# KiCad board panel.kicad_pcb (continued)
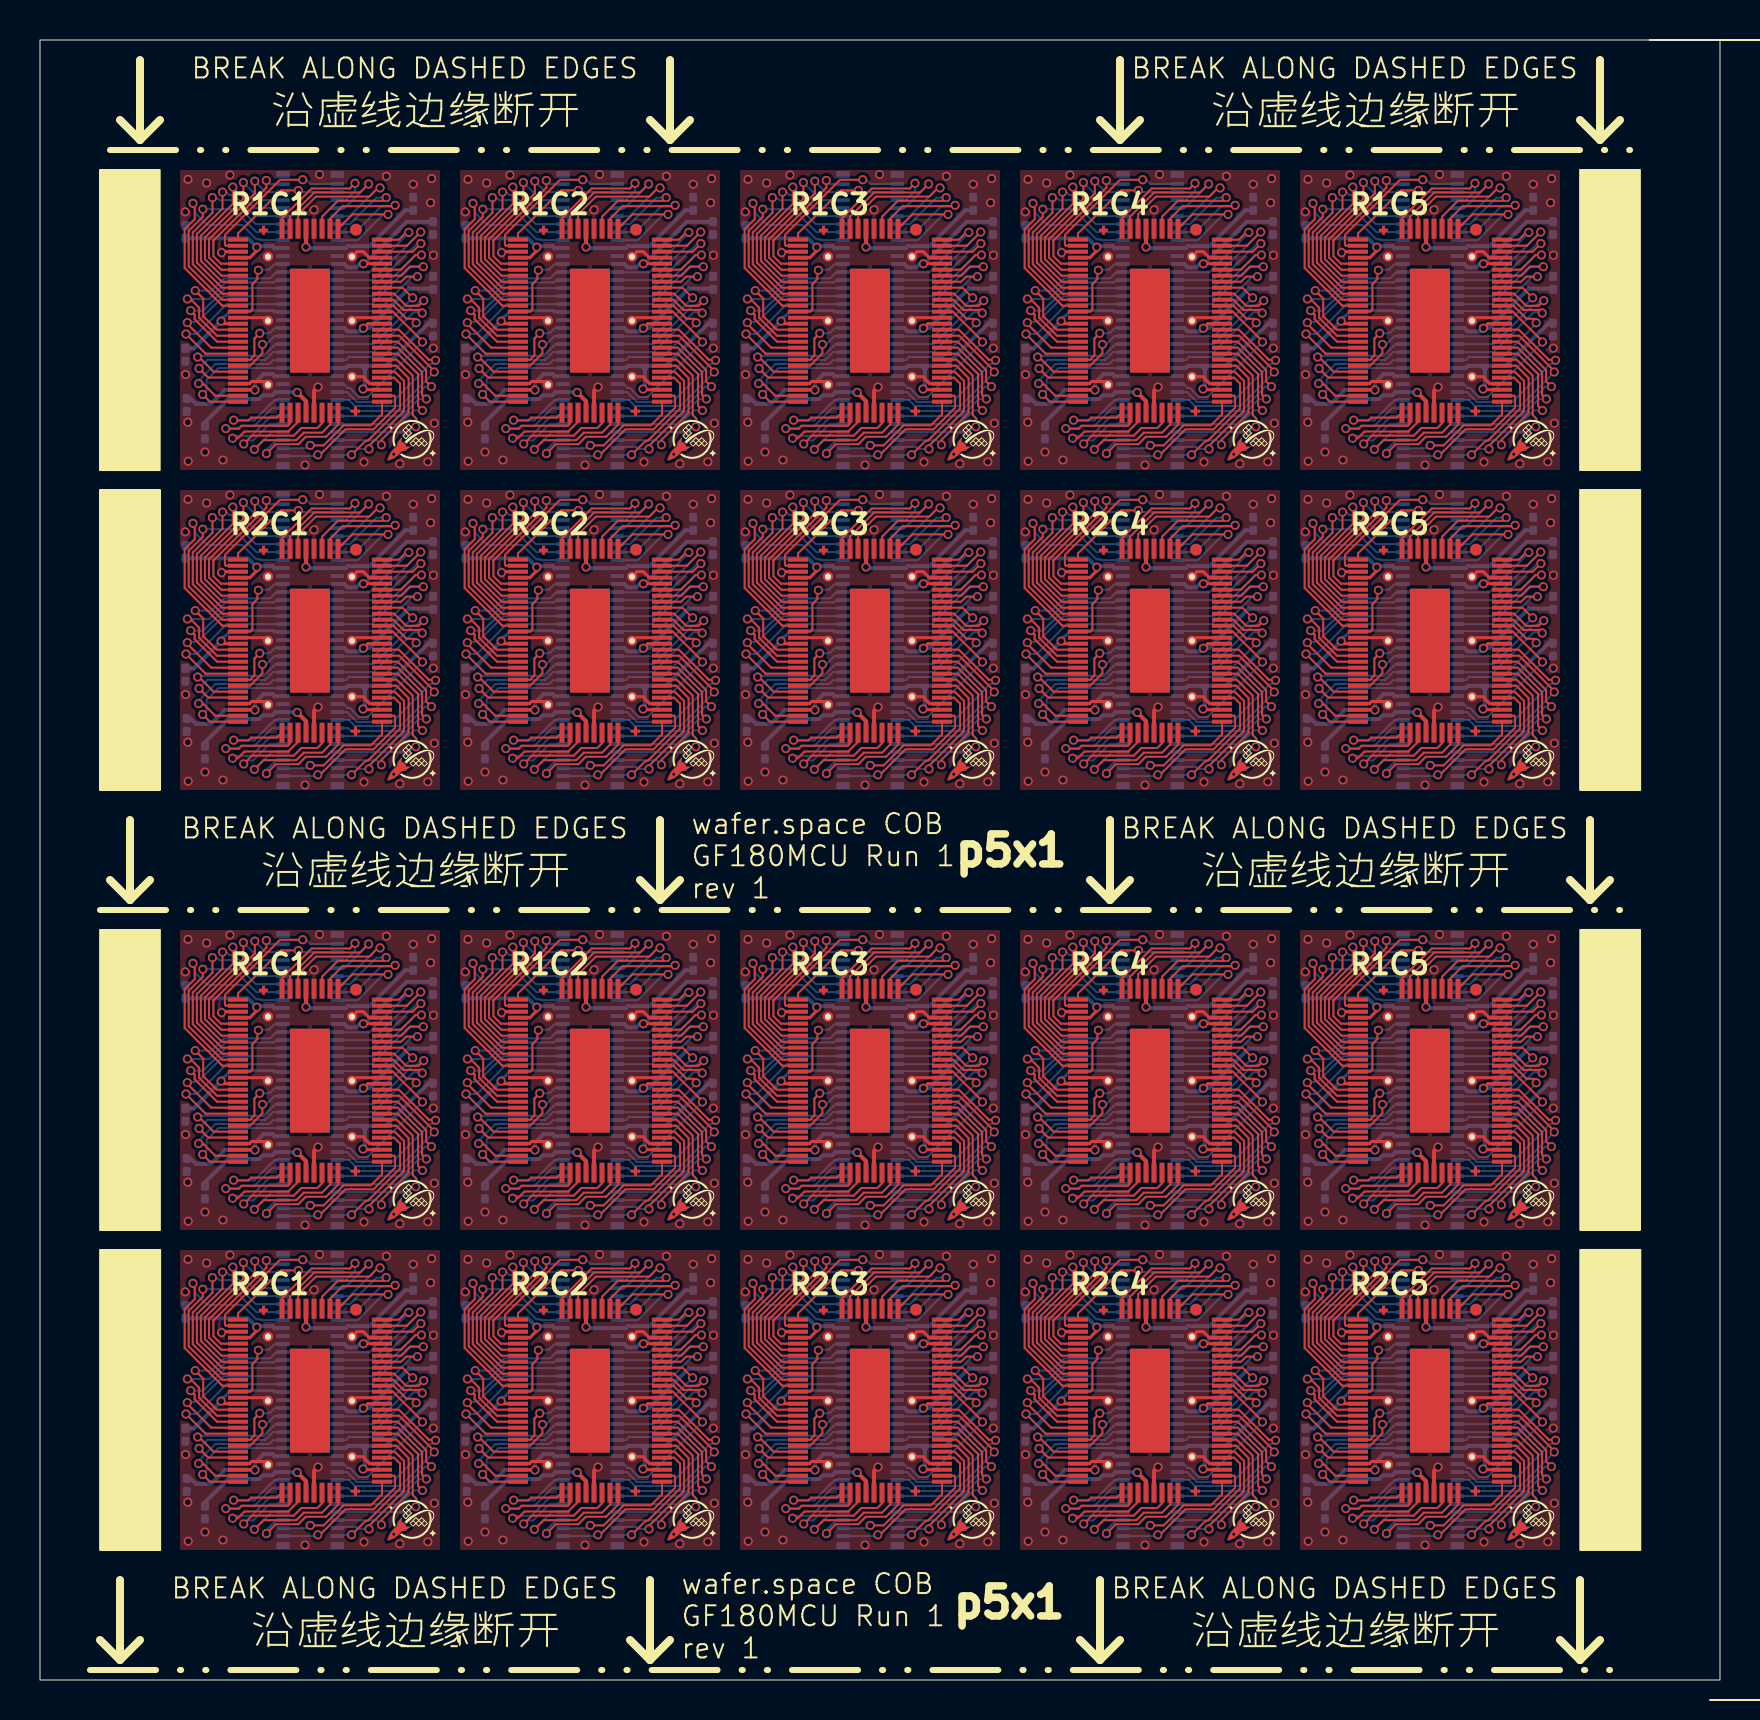
[diagram p0: board, top side]
## Routing (per net, layer and track width the routed paths; a pad name or vN(x,y) marks a point on that pad's centre or on a via; arc(x,y) is an arc through that point) (continued)
/bidir_25: length 145.3
  Top w0.1: 44.45,23.74 v1(44.45,23.55) 44.45,23.71 46.2,25.46 46.2,26.95 45.74,27.42 U106.50 ; U120#2.50 73.74,49.42 74.2,48.95 74.2,47.46 72.45,45.71 v1(72.45,45.55) 72.45,45.74 ; U116#2.50 45.74,11.42 46.2,10.95 46.2,9.46 44.45,7.71 v1(44.45,7.55) 44.45,7.74 ; 44.45,45.74 v1(44.45,45.55) 44.45,45.71 46.2,47.46 46.2,48.95 45.74,49.42 U116.50 ; 30.45,45.74 v1(30.45,45.55) 30.45,45.71 32.2,47.46 32.2,48.95 31.74,49.42 U114.50 ; 45.1,65.41 45.74,65.41 46.2,64.95 46.2,63.46 44.45,61.71 v1(44.45,61.55) 44.45,61.74 ; U102.50 17.74,27.42 18.2,26.95 18.2,25.46 16.45,23.71 v1(16.45,23.55) 16.45,23.74 ; U104.50 31.74,27.42 32.2,26.95 32.2,25.46 30.45,23.71 v1(30.45,23.55) 30.45,23.74 ; U110.50 73.74,27.42 74.2,26.95 74.2,25.46 72.45,23.71 v1(72.45,23.55) 72.45,23.74 ; 73.1,65.41 73.74,65.41 74.2,64.95 74.2,63.46 72.45,61.71 v1(72.45,61.55) 72.45,61.74 ; U112.50 17.74,49.42 18.2,48.95 18.2,47.46 16.45,45.71 v1(16.45,45.55) 16.45,45.74 ; 30.45,61.74 v1(30.45,61.55) 30.45,61.71 32.2,63.46 32.2,64.95 31.74,65.41 31.1,65.41 ; U118#2.50 59.74,11.42 60.2,10.95 60.2,9.46 58.45,7.71 v1(58.45,7.55) 58.45,7.74 ; U108.50 59.74,27.42 60.2,26.95 60.2,25.46 58.45,23.71 v1(58.45,23.55) 58.45,23.74 ; U112#2.50 17.74,11.42 18.2,10.95 18.2,9.46 16.45,7.71 v1(16.45,7.55) 16.45,7.74 ; 58.45,45.74 v1(58.45,45.55) 58.45,45.71 60.2,47.46 60.2,48.95 59.74,49.42 U118.50 ; 17.1,65.41 17.74,65.41 18.2,64.95 18.2,63.46 16.45,61.71 v1(16.45,61.55) 16.45,61.74 ; 58.45,61.74 v1(58.45,61.55) 58.45,61.71 60.2,63.46 60.2,64.95 59.74,65.41 59.1,65.41 ; U114#2.50 31.74,11.42 32.2,10.95 32.2,9.46 30.45,7.71 v1(30.45,7.55) 30.45,7.74 ; 72.45,7.74 v1(72.45,7.55) 72.45,7.71 74.2,9.46 74.2,10.95 73.74,11.42 U120.50
  Bottom w0.1: v1(72.45,45.55) 71.92,45.55 71.81,45.66 70.93,45.66 U119#2.34 ; v1(16.45,45.55) 15.92,45.55 15.81,45.66 14.93,45.66 U111.34 ; v1(16.45,61.55) 15.92,61.55 15.81,61.66 14.93,61.66 U101.34 ; v1(72.45,7.55) 71.92,7.55 71.81,7.66 70.93,7.66 U119.34 ; U103.34 28.93,23.66 29.81,23.66 29.92,23.55 v1(30.45,23.55) ; U105.34 42.93,23.66 43.81,23.66 43.92,23.55 v1(44.45,23.55) ; v1(16.45,7.55) 15.92,7.55 15.81,7.66 14.93,7.66 U111#2.34 ; v1(30.45,7.55) 29.92,7.55 29.81,7.66 28.93,7.66 U113#2.34 ; v1(44.45,61.55) 43.92,61.55 43.81,61.66 42.93,61.66 U105#2.34 ; v1(58.45,45.55) 57.92,45.55 57.81,45.66 56.93,45.66 U117#2.34 ; v1(58.45,23.55) 57.92,23.55 57.81,23.66 56.93,23.66 U107#2.34 ; U117.34 56.93,7.66 57.81,7.66 57.92,7.55 v1(58.45,7.55) ; U109#2.34 70.93,23.66 71.81,23.66 71.92,23.55 v1(72.45,23.55) ; v1(30.45,61.55) 29.92,61.55 29.81,61.66 28.93,61.66 U103#2.34 ; v1(16.45,23.55) 15.92,23.55 15.81,23.66 14.93,23.66 U101#2.34 ; U115.34 42.93,7.66 43.81,7.66 43.92,7.55 v1(44.45,7.55) ; v1(72.45,61.55) 71.92,61.55 71.81,61.66 70.93,61.66 U109.34 ; U115#2.34 42.93,45.66 43.81,45.66 43.92,45.55 v1(44.45,45.55) ; v1(58.45,61.55) 57.92,61.55 57.81,61.66 56.93,61.66 U107.34 ; U113.34 28.93,45.66 29.81,45.66 29.92,45.55 v1(30.45,45.55)
/bidir_26: length 155.7
  Top w0.1: v1(31.07,23.76) 31.07,24 32.43,25.36 32.43,27.09 31.81,27.72 U104.51 ; v1(31.07,45.76) 31.07,46 32.43,47.36 32.43,49.09 31.81,49.72 U114.51 ; v1(31.07,7.76) 31.07,8 32.43,9.36 32.43,11.09 31.81,11.72 U114#2.51 ; v1(17.07,45.76) 17.07,46 18.43,47.36 18.43,49.09 17.81,49.72 U112.51 ; v1(59.07,45.76) 59.07,46 60.43,47.36 60.43,49.09 59.81,49.72 U118.51 ; U106#2.51 45.81,65.72 46.43,65.09 46.43,63.36 45.07,62 v1(45.07,61.76) ; U102#2.51 17.81,65.72 18.43,65.09 18.43,63.36 17.07,62 v1(17.07,61.76) ; v1(73.07,45.76) 73.07,46 74.43,47.36 74.43,49.09 73.81,49.72 U120#2.51 ; v1(45.07,45.76) 45.07,46 46.43,47.36 46.43,49.09 45.81,49.72 U116.51 ; v1(17.07,7.76) 17.07,8 18.43,9.36 18.43,11.09 17.81,11.72 U112#2.51 ; v1(73.07,7.76) 73.07,8 74.43,9.36 74.43,11.09 73.81,11.72 U120.51 ; v1(73.07,61.76) 73.07,62 74.43,63.36 74.43,65.09 73.81,65.72 U110#2.51 ; U116#2.51 45.81,11.72 46.43,11.09 46.43,9.36 45.07,8 v1(45.07,7.76) ; v1(73.07,23.76) 73.07,24 74.43,25.36 74.43,27.09 73.81,27.72 U110.51 ; v1(45.07,23.76) 45.07,24 46.43,25.36 46.43,27.09 45.81,27.72 U106.51 ; U102.51 17.81,27.72 18.43,27.09 18.43,25.36 17.07,24 v1(17.07,23.76) ; v1(59.07,7.76) 59.07,8 60.43,9.36 60.43,11.09 59.81,11.72 U118#2.51 ; U104#2.51 31.81,65.72 32.43,65.09 32.43,63.36 31.07,62 v1(31.07,61.76) ; v1(59.07,61.76) 59.07,62 60.43,63.36 60.43,65.09 59.81,65.72 U108#2.51 ; v1(59.07,23.76) 59.07,24 60.43,25.36 60.43,27.09 59.81,27.72 U108.51
  Bottom w0.1: v1(73.07,45.76) 73.06,45.76 72.83,46 U119#2.33 ; U117#2.33 58.82,46 59.06,45.76 v1(59.07,45.76) ; U105.33 44.82,24 45.06,23.76 v1(45.07,23.76) ; U103.33 30.82,24 31.06,23.76 v1(31.07,23.76) ; v1(31.07,61.76) 31.06,61.76 30.82,62 28.87,62 ; U111.33 16.82,46 17.06,45.76 v1(17.07,45.76) ; v1(17.07,23.76) 17.06,23.76 16.82,24 U101#2.33 ; v1(31.07,7.76) 31.06,7.76 30.82,8 U113#2.33 ; 42.87,62 44.82,62 45.06,61.76 v1(45.07,61.76) ; U111#2.33 16.82,8 17.06,7.76 v1(17.07,7.76) ; v1(73.07,61.76) 73.06,61.76 72.83,62 70.87,62 ; 14.87,62 16.82,62 17.06,61.76 v1(17.07,61.76) ; v1(45.07,45.76) 45.06,45.76 44.82,46 U115#2.33 ; v1(59.07,23.76) 59.06,23.76 58.82,24 U107#2.33 ; U115.33 44.82,8 45.06,7.76 v1(45.07,7.76) ; U117.33 58.82,8 59.06,7.76 v1(59.07,7.76) ; 56.87,62 58.82,62 59.06,61.76 v1(59.07,61.76) ; U119.33 72.83,8 73.06,7.76 v1(73.07,7.76) ; U113.33 30.82,46 31.06,45.76 v1(31.07,45.76) ; v1(73.07,23.76) 73.06,23.76 72.83,24 U109#2.33
/bidir_27: length 170.9
  Top w0.1: U102#2.52 17.84,66.02 18.63,65.22 18.63,63.25 18.82,63.07 18.82,62.69 v1(18.79,62.66) ; v1(60.79,24.66) 60.82,24.69 60.82,25.07 60.63,25.25 60.63,27.22 59.84,28.02 U108.52 ; U110.52 73.84,28.02 74.63,27.22 74.63,25.25 74.82,25.07 74.82,24.69 v1(74.79,24.66) ; v1(46.79,46.66) 46.82,46.69 46.82,47.07 46.63,47.25 46.63,49.22 45.84,50.02 U116.52 ; v1(74.79,46.66) 74.82,46.69 74.82,47.07 74.63,47.25 74.63,49.22 73.84,50.02 U120#2.52 ; U110#2.52 73.84,66.02 74.63,65.22 74.63,63.25 74.82,63.07 74.82,62.69 v1(74.79,62.66) ; U120.52 73.84,12.02 74.63,11.22 74.63,9.25 74.82,9.07 74.82,8.69 v1(74.79,8.66) ; U112.52 17.84,50.02 18.63,49.22 18.63,47.25 18.82,47.07 18.82,46.69 v1(18.79,46.66) ; U114.52 31.84,50.02 32.63,49.22 32.63,47.25 32.82,47.07 32.82,46.69 v1(32.79,46.66) ; v1(46.79,8.66) 46.82,8.69 46.82,9.07 46.63,9.25 46.63,11.22 45.84,12.02 U116#2.52 ; v1(32.79,62.66) 32.82,62.69 32.82,63.07 32.63,63.25 32.63,65.22 31.84,66.02 U104#2.52 ; v1(60.79,46.66) 60.82,46.69 60.82,47.07 60.63,47.25 60.63,49.22 59.84,50.02 U118.52 ; U106.52 45.84,28.02 46.63,27.22 46.63,25.25 46.82,25.07 46.82,24.69 v1(46.79,24.66) ; U114#2.52 31.84,12.02 32.63,11.22 32.63,9.25 32.82,9.07 32.82,8.69 v1(32.79,8.66) ; v1(46.79,62.66) 46.82,62.69 46.82,63.07 46.63,63.25 46.63,65.22 45.84,66.02 U106#2.52 ; U118#2.52 59.84,12.02 60.63,11.22 60.63,9.25 60.82,9.07 60.82,8.69 v1(60.79,8.66) ; v1(18.79,8.66) 18.82,8.69 18.82,9.07 18.63,9.25 18.63,11.22 17.84,12.02 U112#2.52 ; v1(32.79,24.66) 32.82,24.69 32.82,25.07 32.63,25.25 32.63,27.22 31.84,28.02 U104.52 ; U108#2.52 59.84,66.02 60.63,65.22 60.63,63.25 60.82,63.07 60.82,62.69 v1(60.79,62.66) ; v1(18.79,24.66) 18.82,24.69 18.82,25.07 18.63,25.25 18.63,27.22 17.84,28.02 U102.52
  Bottom w0.1: v1(18.79,46.66) 18.7,46.66 18.43,46.39 14.87,46.39 ; v1(18.79,8.66) 18.7,8.66 18.43,8.39 14.87,8.39 ; U105#2.32 46.43,62.4 46.7,62.66 v1(46.79,62.66) ; v1(74.79,8.66) 74.7,8.66 74.44,8.39 70.87,8.39 ; v1(74.79,24.66) 74.7,24.66 74.44,24.39 70.87,24.39 ; v1(18.79,62.66) 18.7,62.66 18.43,62.4 U101.32 ; v1(60.79,62.66) 60.7,62.66 60.43,62.4 U107.32 ; 56.87,46.39 60.43,46.39 60.7,46.66 v1(60.79,46.66) ; 56.87,8.39 60.43,8.39 60.7,8.66 v1(60.79,8.66) ; 56.87,24.39 60.43,24.39 60.7,24.66 v1(60.79,24.66) ; 28.87,8.39 32.43,8.39 32.7,8.66 v1(32.79,8.66) ; 70.87,46.39 74.44,46.39 74.7,46.66 v1(74.79,46.66) ; 42.87,24.39 46.43,24.39 46.7,24.66 v1(46.79,24.66) ; v1(18.79,24.66) 18.7,24.66 18.43,24.39 14.87,24.39 ; 42.87,8.39 46.43,8.39 46.7,8.66 v1(46.79,8.66) ; v1(46.79,46.66) 46.7,46.66 46.43,46.39 42.87,46.39 ; v1(32.79,24.66) 32.7,24.66 32.43,24.39 28.87,24.39 ; U103#2.32 32.43,62.4 32.7,62.66 v1(32.79,62.66) ; 28.87,46.39 32.43,46.39 32.7,46.66 v1(32.79,46.66) ; v1(74.79,62.66) 74.7,62.66 74.44,62.4 U109.32
/bidir_28: length 173.4
  Top w0.1: U118.53 59.88,50.31 60.9,49.3 60.9,47.7 v1(61.12,47.48) ; U118#2.53 59.88,12.31 60.9,11.3 60.9,9.7 v1(61.12,9.48) ; 17.1,66.31 17.88,66.31 18.9,65.3 18.9,63.7 v1(19.12,63.48) ; v1(33.12,63.48) 32.9,63.7 32.9,65.3 31.88,66.31 31.1,66.31 ; v1(47.12,47.48) 46.9,47.7 46.9,49.3 45.88,50.31 U116.53 ; v1(33.12,47.48) 32.9,47.7 32.9,49.3 31.88,50.31 U114.53 ; v1(75.12,47.48) 74.9,47.7 74.9,49.3 73.89,50.31 U120#2.53 ; v1(75.12,9.48) 74.9,9.7 74.9,11.3 73.89,12.31 U120.53 ; 45.1,66.31 45.88,66.31 46.9,65.3 46.9,63.7 v1(47.12,63.48) ; U112.53 17.88,50.31 18.9,49.3 18.9,47.7 v1(19.12,47.48) ; v1(47.12,25.48) 46.9,25.7 46.9,27.3 45.88,28.31 U106.53 ; U116#2.53 45.88,12.31 46.9,11.3 46.9,9.7 v1(47.12,9.48) ; 73.1,66.31 73.89,66.31 74.9,65.3 74.9,63.7 v1(75.12,63.48) ; U104.53 31.88,28.31 32.9,27.3 32.9,25.7 v1(33.12,25.48) ; v1(61.12,63.48) 60.9,63.7 60.9,65.3 59.88,66.31 59.1,66.31 ; U108.53 59.88,28.31 60.9,27.3 60.9,25.7 v1(61.12,25.48) ; v1(19.12,25.48) 18.9,25.7 18.9,27.3 17.88,28.31 U102.53 ; U114#2.53 31.88,12.31 32.9,11.3 32.9,9.7 v1(33.12,9.48) ; v1(75.12,25.48) 74.9,25.7 74.9,27.3 73.89,28.31 U110.53 ; U112#2.53 17.88,12.31 18.9,11.3 18.9,9.7 v1(19.12,9.48)
  Bottom w0.1: v1(33.12,9.48) 32.69,9.48 32.01,8.8 U113#2.31 ; v1(47.12,25.48) 46.69,25.48 46.01,24.8 U105.31 ; U109#2.31 74,24.8 74.69,25.48 v1(75.12,25.48) ; v1(75.12,9.48) 74.69,9.48 74,8.8 U119.31 ; v1(61.12,25.48) 60.69,25.48 60.01,24.8 U107#2.31 ; v1(47.12,9.48) 46.69,9.48 46.01,8.8 U115.31 ; v1(33.12,47.48) 32.69,47.48 32.01,46.8 U113.31 ; v1(33.12,25.48) 32.69,25.48 32.01,24.8 U103.31 ; U105#2.31 46.01,62.8 46.69,63.48 v1(47.12,63.48) ; v1(19.12,47.48) 18.69,47.48 18.01,46.8 U111.31 ; v1(61.12,9.48) 60.69,9.48 60.01,8.8 U117.31 ; U119#2.31 74,46.8 74.69,47.48 v1(75.12,47.48) ; v1(61.12,63.48) 60.69,63.48 60.01,62.8 U107.31 ; v1(75.12,63.48) 74.69,63.48 74,62.8 U109.31 ; v1(47.12,47.48) 46.69,47.48 46.01,46.8 U115#2.31 ; U117#2.31 60.01,46.8 60.69,47.48 v1(61.12,47.48) ; U103#2.31 32.01,62.8 32.69,63.48 v1(33.12,63.48) ; U111#2.31 18.01,8.8 18.69,9.48 v1(19.12,9.48) ; v1(19.12,63.48) 18.69,63.48 18.01,62.8 U101.31 ; U101#2.31 18.01,24.8 18.69,25.48 v1(19.12,25.48)
/bidir_29: length 175.1
  Top w0.1: v1(47.32,48.05) 47.11,48.26 47.11,49.39 45.88,50.61 45.1,50.61 ; 31.1,28.61 31.88,28.61 33.11,27.39 33.11,26.26 v1(33.32,26.05) ; v1(61.32,48.05) 61.11,48.26 61.11,49.39 59.88,50.61 59.1,50.61 ; v1(19.32,10.05) 19.11,10.26 19.11,11.39 17.88,12.61 17.1,12.61 ; 31.1,50.61 31.88,50.61 33.11,49.39 33.11,48.26 v1(33.32,48.05) ; v1(19.32,48.05) 19.11,48.26 19.11,49.39 17.88,50.61 17.1,50.61 ; 73.1,50.61 73.89,50.61 75.11,49.39 75.11,48.26 v1(75.32,48.05) ; U104#2.54 31.88,66.62 33.11,65.39 33.11,64.26 v1(33.32,64.05) ; v1(47.32,26.05) 47.11,26.26 47.11,27.39 45.88,28.61 45.1,28.61 ; v1(47.32,64.05) 47.11,64.26 47.11,65.39 45.88,66.62 U106#2.54 ; 73.1,12.61 73.89,12.61 75.11,11.39 75.11,10.26 v1(75.32,10.05) ; U110#2.54 73.89,66.62 75.11,65.39 75.11,64.26 v1(75.32,64.05) ; v1(47.32,10.05) 47.11,10.26 47.11,11.39 45.88,12.61 45.1,12.61 ; v1(61.32,64.05) 61.11,64.26 61.11,65.39 59.88,66.62 U108#2.54 ; v1(19.32,64.05) 19.11,64.26 19.11,65.39 17.88,66.62 U102#2.54 ; 59.1,28.61 59.88,28.61 61.11,27.39 61.11,26.26 v1(61.32,26.05) ; 59.1,12.61 59.88,12.61 61.11,11.39 61.11,10.26 v1(61.32,10.05) ; v1(75.32,26.05) 75.11,26.26 75.11,27.39 73.89,28.61 73.1,28.61 ; 31.1,12.61 31.88,12.61 33.11,11.39 33.11,10.26 v1(33.32,10.05) ; v1(19.32,26.05) 19.11,26.26 19.11,27.39 17.88,28.61 17.1,28.61
  Bottom w0.1: v1(75.32,48.05) 74.95,48.05 74.09,47.2 U119#2.30 ; U115.30 46.1,9.2 46.95,10.05 v1(47.32,10.05) ; v1(33.32,26.05) 32.95,26.05 32.1,25.2 U103.30 ; U109.30 74.09,63.2 74.95,64.05 v1(75.32,64.05) ; v1(47.32,64.05) 46.95,64.05 46.1,63.2 U105#2.30 ; v1(61.32,64.05) 60.95,64.05 60.1,63.2 U107.30 ; U111.30 18.1,47.2 18.95,48.05 v1(19.32,48.05) ; U105.30 46.1,25.2 46.95,26.05 v1(47.32,26.05) ; v1(33.32,64.05) 32.95,64.05 32.1,63.2 U103#2.30 ; U117#2.30 60.1,47.2 60.95,48.05 v1(61.32,48.05) ; U111#2.30 18.1,9.2 18.95,10.05 v1(19.32,10.05) ; U101#2.30 18.1,25.2 18.95,26.05 v1(19.32,26.05) ; v1(75.32,10.05) 74.95,10.05 74.09,9.2 U119.30 ; v1(33.32,10.05) 32.95,10.05 32.1,9.2 U113#2.30 ; U101.30 18.1,63.2 18.95,64.05 v1(19.32,64.05) ; v1(61.32,26.05) 60.95,26.05 60.1,25.2 U107#2.30 ; U109#2.30 74.09,25.2 74.95,26.05 v1(75.32,26.05) ; v1(47.32,48.05) 46.95,48.05 46.1,47.2 U115#2.30 ; v1(33.32,48.05) 32.95,48.05 32.1,47.2 U113.30 ; v1(61.32,10.05) 60.95,10.05 60.1,9.2 U117.30
/bidir_30: length 180
  Top w0.1: U104#2.55 31.89,66.91 33.31,65.49 33.31,64.93 v1(33.57,64.67) ; v1(33.57,10.67) 33.31,10.93 33.31,11.49 31.89,12.91 U114#2.55 ; U114.55 31.89,50.91 33.31,49.49 33.31,48.93 v1(33.57,48.67) ; v1(19.57,10.67) 19.31,10.93 19.31,11.49 17.89,12.91 U112#2.55 ; U110.55 73.89,28.91 75.31,27.49 75.31,26.93 v1(75.57,26.67) ; v1(33.57,26.67) 33.31,26.93 33.31,27.49 31.89,28.91 U104.55 ; v1(61.57,26.67) 61.31,26.93 61.31,27.49 59.89,28.91 U108.55 ; U120.55 73.89,12.91 75.31,11.49 75.31,10.93 v1(75.57,10.67) ; U106#2.55 45.89,66.91 47.31,65.49 47.31,64.93 v1(47.57,64.67) ; v1(61.57,10.67) 61.31,10.93 61.31,11.49 59.89,12.91 U118#2.55 ; v1(47.57,26.67) 47.31,26.93 47.31,27.49 45.89,28.91 U106.55 ; v1(61.57,48.67) 61.31,48.93 61.31,49.49 59.89,50.91 U118.55 ; U116.55 45.89,50.91 47.31,49.49 47.31,48.93 v1(47.57,48.67) ; v1(47.57,10.67) 47.31,10.93 47.31,11.49 45.89,12.91 U116#2.55 ; v1(61.57,64.67) 61.31,64.93 61.31,65.49 59.89,66.91 U108#2.55 ; U102.55 17.89,28.91 19.31,27.49 19.31,26.93 v1(19.57,26.67) ; U112.55 17.89,50.91 19.31,49.49 19.31,48.93 v1(19.57,48.67) ; v1(75.57,48.67) 75.31,48.93 75.31,49.49 73.89,50.91 U120#2.55 ; v1(19.57,64.67) 19.31,64.93 19.31,65.49 17.89,66.91 U102#2.55 ; v1(75.57,64.67) 75.31,64.93 75.31,65.49 73.89,66.91 U110#2.55
  Bottom w0.1: v1(33.57,10.67) 33.28,10.67 32.06,9.45 29.54,9.45 29.4,9.59 U113#2.29 ; v1(19.57,26.67) 19.28,26.67 18.06,25.45 15.54,25.45 15.4,25.59 U101#2.29 ; U111.29 15.4,47.59 15.54,47.45 18.06,47.45 19.28,48.67 v1(19.57,48.67) ; U119#2.29 71.4,47.59 71.55,47.45 74.06,47.45 75.28,48.67 v1(75.57,48.67) ; U107.29 57.4,63.59 57.54,63.45 60.06,63.45 61.28,64.67 v1(61.57,64.67) ; v1(33.57,48.67) 33.28,48.67 32.06,47.45 29.54,47.45 29.4,47.59 U113.29 ; v1(61.57,26.67) 61.28,26.67 60.06,25.45 57.54,25.45 57.4,25.59 U107#2.29 ; U119.29 71.4,9.59 71.55,9.45 74.06,9.45 75.28,10.67 v1(75.57,10.67) ; U105.29 43.4,25.59 43.54,25.45 46.06,25.45 47.28,26.67 v1(47.57,26.67) ; v1(47.57,10.67) 47.28,10.67 46.06,9.45 43.54,9.45 43.4,9.59 U115.29 ; v1(75.57,64.67) 75.28,64.67 74.06,63.45 71.55,63.45 71.4,63.59 U109.29 ; U117#2.29 57.4,47.59 57.54,47.45 60.06,47.45 61.28,48.67 v1(61.57,48.67) ; U103.29 29.4,25.59 29.54,25.45 32.06,25.45 33.28,26.67 v1(33.57,26.67) ; U115#2.29 43.4,47.59 43.54,47.45 46.06,47.45 47.28,48.67 v1(47.57,48.67) ; U105#2.29 43.4,63.59 43.54,63.45 46.06,63.45 47.28,64.67 v1(47.57,64.67) ; U101.29 15.4,63.59 15.54,63.45 18.06,63.45 19.28,64.67 v1(19.57,64.67) ; v1(19.57,10.67) 19.28,10.67 18.06,9.45 15.54,9.45 15.4,9.59 U111#2.29 ; U117.29 57.4,9.59 57.54,9.45 60.06,9.45 61.28,10.67 v1(61.57,10.67) ; U103#2.29 29.4,63.59 29.54,63.45 32.06,63.45 33.28,64.67 v1(33.57,64.67) ; v1(75.57,26.67) 75.28,26.67 74.06,25.45 71.55,25.45 71.4,25.59 U109#2.29
/bidir_31: length 189.3
  Top w0.1: v1(19.71,65.4) 19.71,65.47 19.64,65.4 19.57,65.4 19.67,65.5 17.95,67.22 U102#2.56 ; v1(75.71,65.4) 75.71,65.47 75.64,65.4 75.57,65.4 75.67,65.5 73.95,67.22 U110#2.56 ; v1(19.71,11.4) 19.71,11.47 19.64,11.4 19.57,11.4 19.67,11.5 17.95,13.22 U112#2.56 ; v1(33.71,11.4) 33.71,11.47 33.64,11.4 33.57,11.4 33.67,11.5 31.95,13.22 U114#2.56 ; v1(75.71,11.4) 75.71,11.47 75.64,11.4 75.57,11.4 75.67,11.5 73.95,13.22 U120.56 ; U106.56 45.95,29.22 47.67,27.5 47.57,27.4 47.64,27.4 47.71,27.47 v1(47.71,27.4) ; U118#2.56 59.95,13.22 61.67,11.5 61.57,11.4 61.64,11.4 61.71,11.47 v1(61.71,11.4) ; U112.56 17.95,51.22 19.67,49.5 19.57,49.4 19.64,49.4 19.71,49.47 v1(19.71,49.4) ; v1(19.71,27.4) 19.71,27.47 19.64,27.4 19.57,27.4 19.67,27.5 17.95,29.22 U102.56 ; U106#2.56 45.95,67.22 47.67,65.5 47.57,65.4 47.64,65.4 47.71,65.47 v1(47.71,65.4) ; v1(33.71,27.4) 33.71,27.47 33.64,27.4 33.57,27.4 33.67,27.5 31.95,29.22 U104.56 ; v1(33.71,49.4) 33.71,49.47 33.64,49.4 33.57,49.4 33.67,49.5 31.95,51.22 U114.56 ; U116.56 45.95,51.22 47.67,49.5 47.57,49.4 47.64,49.4 47.71,49.47 v1(47.71,49.4) ; U108#2.56 59.95,67.22 61.67,65.5 61.57,65.4 61.64,65.4 61.71,65.47 v1(61.71,65.4) ; v1(75.71,27.4) 75.71,27.47 75.64,27.4 75.57,27.4 75.67,27.5 73.95,29.22 U110.56 ; v1(75.71,49.4) 75.71,49.47 75.64,49.4 75.57,49.4 75.67,49.5 73.95,51.22 U120#2.56 ; U116#2.56 45.95,13.22 47.67,11.5 47.57,11.4 47.64,11.4 47.71,11.47 v1(47.71,11.4) ; v1(61.71,27.4) 61.71,27.47 61.64,27.4 61.57,27.4 61.67,27.5 59.95,29.22 U108.56 ; U118.56 59.95,51.22 61.67,49.5 61.57,49.4 61.64,49.4 61.71,49.47 v1(61.71,49.4) ; v1(33.71,65.4) 33.71,65.47 33.64,65.4 33.57,65.4 33.67,65.5 31.95,67.22 U104#2.56
  Bottom w0.1: U109.28 70.87,64 71.45,64 71.75,63.7 74.02,63.7 75.66,65.34 75.77,65.34 v1(75.71,65.4) ; U111.28 14.87,48 15.45,48 15.75,47.7 18.02,47.7 19.66,49.34 19.77,49.34 v1(19.71,49.4) ; U115#2.28 42.87,48 43.45,48 43.75,47.7 46.02,47.7 47.66,49.34 47.77,49.34 v1(47.71,49.4) ; v1(33.71,65.4) 33.77,65.34 33.66,65.34 32.02,63.7 29.75,63.7 29.45,64 28.87,64 U103#2.28 ; v1(47.71,65.4) 47.77,65.34 47.66,65.34 46.02,63.7 43.75,63.7 43.45,64 42.87,64 U105#2.28 ; v1(75.71,49.4) 75.77,49.34 75.66,49.34 74.02,47.7 71.75,47.7 71.45,48 70.87,48 U119#2.28 ; U117.28 56.87,10 57.45,10 57.75,9.7 60.02,9.7 61.66,11.34 61.77,11.34 v1(61.71,11.4) ; U117#2.28 56.87,48 57.45,48 57.75,47.7 60.02,47.7 61.66,49.34 61.77,49.34 v1(61.71,49.4) ; v1(33.71,27.4) 33.77,27.34 33.66,27.34 32.02,25.7 29.75,25.7 29.45,26 28.87,26 U103.28 ; U115.28 42.87,10 43.45,10 43.75,9.7 46.02,9.7 47.66,11.34 47.77,11.34 v1(47.71,11.4) ; v1(61.71,27.4) 61.77,27.34 61.66,27.34 60.02,25.7 57.75,25.7 57.45,26 56.87,26 U107#2.28 ; U101#2.28 14.87,26 15.45,26 15.75,25.7 18.02,25.7 19.66,27.34 19.77,27.34 v1(19.71,27.4) ; v1(33.71,49.4) 33.77,49.34 33.66,49.34 32.02,47.7 29.75,47.7 29.45,48 28.87,48 U113.28 ; U113#2.28 28.87,10 29.45,10 29.75,9.7 32.02,9.7 33.66,11.34 33.77,11.34 v1(33.71,11.4) ; U107.28 56.87,64 57.45,64 57.75,63.7 60.02,63.7 61.66,65.34 61.77,65.34 v1(61.71,65.4) ; v1(75.71,27.4) 75.77,27.34 75.66,27.34 74.02,25.7 71.75,25.7 71.45,26 70.87,26 U109#2.28 ; U119.28 70.87,10 71.45,10 71.75,9.7 74.02,9.7 75.66,11.34 75.77,11.34 v1(75.71,11.4) ; U111#2.28 14.87,10 15.45,10 15.75,9.7 18.02,9.7 19.66,11.34 19.77,11.34 v1(19.71,11.4) ; U105.28 42.87,26 43.45,26 43.75,25.7 46.02,25.7 47.66,27.34 47.77,27.34 v1(47.71,27.4) ; U101.28 14.87,64 15.45,64 15.75,63.7 18.02,63.7 19.66,65.34 19.77,65.34 v1(19.71,65.4)
/bidir_32: length 185.7
  Top w0.1: U114.57 31.94,51.52 33.44,50.01 33.76,50.01 v1(33.77,49.99) ; v1(47.77,49.99) 47.76,50.01 47.44,50.01 45.94,51.52 U116.57 ; U110.57 73.94,29.52 75.44,28.01 75.75,28.01 v1(75.78,27.99) ; v1(47.77,65.99) 47.76,66.01 47.44,66.01 45.94,67.52 U106#2.57 ; U120#2.57 73.94,51.52 75.44,50.01 75.75,50.01 v1(75.78,49.99) ; v1(19.77,65.99) 19.76,66.01 19.44,66.01 17.94,67.52 U102#2.57 ; v1(61.77,27.99) 61.76,28.01 61.44,28.01 59.94,29.52 U108.57 ; U118.57 59.94,51.52 61.44,50.01 61.76,50.01 v1(61.77,49.99) ; v1(19.77,27.99) 19.76,28.01 19.44,28.01 17.94,29.52 U102.57 ; U104#2.57 31.94,67.52 33.44,66.01 33.76,66.01 v1(33.77,65.99) ; U106.57 45.94,29.52 47.44,28.01 47.76,28.01 v1(47.77,27.99) ; v1(75.78,65.99) 75.75,66.01 75.44,66.01 73.94,67.52 U110#2.57 ; U112.57 17.94,51.52 19.44,50.01 19.76,50.01 v1(19.77,49.99) ; v1(75.78,11.99) 75.75,12.01 75.44,12.01 73.94,13.52 U120.57 ; U108#2.57 59.94,67.52 61.44,66.01 61.76,66.01 v1(61.77,65.99) ; U116#2.57 45.94,13.52 47.44,12.01 47.76,12.01 v1(47.77,11.99) ; U118#2.57 59.94,13.52 61.44,12.01 61.76,12.01 v1(61.77,11.99) ; U104.57 31.94,29.52 33.44,28.01 33.76,28.01 v1(33.77,27.99) ; U114#2.57 31.94,13.52 33.44,12.01 33.76,12.01 v1(33.77,11.99) ; v1(19.77,11.99) 19.76,12.01 19.44,12.01 17.94,13.52 U112#2.57
  Bottom w0.1: v1(19.77,27.99) 19.59,27.8 19.52,27.8 17.62,25.9 15.85,25.9 15.35,26.39 14.87,26.39 ; U105#2.27 43.35,64.4 43.85,63.9 45.62,63.9 47.52,65.8 47.59,65.8 v1(47.77,65.99) ; v1(61.77,49.99) 61.59,49.8 61.52,49.8 59.62,47.9 57.85,47.9 57.35,48.39 56.87,48.39 ; 28.87,26.39 29.35,26.39 29.85,25.9 31.62,25.9 33.52,27.8 33.59,27.8 v1(33.77,27.99) ; 70.87,10.39 71.36,10.39 71.85,9.9 73.62,9.9 75.52,11.8 75.59,11.8 v1(75.78,11.99) ; v1(47.77,27.99) 47.59,27.8 47.52,27.8 45.62,25.9 43.85,25.9 43.35,26.39 42.87,26.39 ; 42.87,48.39 43.35,48.39 43.85,47.9 45.62,47.9 47.52,49.8 47.59,49.8 v1(47.77,49.99) ; U107.27 57.35,64.4 57.85,63.9 59.62,63.9 61.52,65.8 61.59,65.8 v1(61.77,65.99) ; v1(33.77,11.99) 33.59,11.8 33.52,11.8 31.62,9.9 29.85,9.9 29.35,10.39 28.87,10.39 ; 14.87,10.39 15.35,10.39 15.85,9.9 17.62,9.9 19.52,11.8 19.59,11.8 v1(19.77,11.99) ; v1(19.77,65.99) 19.59,65.8 19.52,65.8 17.62,63.9 15.85,63.9 15.35,64.4 U101.27 ; 70.87,26.39 71.36,26.39 71.85,25.9 73.62,25.9 75.52,27.8 75.59,27.8 v1(75.78,27.99) ; 14.87,48.39 15.35,48.39 15.85,47.9 17.62,47.9 19.52,49.8 19.59,49.8 v1(19.77,49.99) ; v1(33.77,65.99) 33.59,65.8 33.52,65.8 31.62,63.9 29.85,63.9 29.35,64.4 U103#2.27 ; 28.87,48.39 29.35,48.39 29.85,47.9 31.62,47.9 33.52,49.8 33.59,49.8 v1(33.77,49.99) ; U109.27 71.36,64.4 71.85,63.9 73.62,63.9 75.52,65.8 75.59,65.8 v1(75.78,65.99) ; 70.87,48.39 71.36,48.39 71.85,47.9 73.62,47.9 75.52,49.8 75.59,49.8 v1(75.78,49.99) ; 56.87,26.39 57.35,26.39 57.85,25.9 59.62,25.9 61.52,27.8 61.59,27.8 v1(61.77,27.99) ; 56.87,10.39 57.35,10.39 57.85,9.9 59.62,9.9 61.52,11.8 61.59,11.8 v1(61.77,11.99) ; v1(47.77,11.99) 47.59,11.8 47.52,11.8 45.62,9.9 43.85,9.9 43.35,10.39 42.87,10.39
/bidir_33: length 165.6
  Top w0.1: 33.04,66.8 33.04,67.02 31.65,68.41 31.1,68.41 ; U104.60 31.65,30.42 33.04,29.02 33.04,28.8 ; U102.60 17.65,30.42 19.04,29.02 19.04,28.8 ; 61.04,50.8 61.04,51.02 59.65,52.42 U118.60 ; U112#2.60 17.65,14.42 19.04,13.02 19.04,12.8 ; 61.04,12.8 61.04,13.02 59.65,14.42 U118#2.60 ; 19.04,66.8 19.04,67.02 17.65,68.41 17.1,68.41 ; 59.1,68.41 59.65,68.41 61.04,67.02 61.04,66.8 ; U110.60 73.65,30.42 75.04,29.02 75.04,28.8 ; 19.04,50.8 19.04,51.02 17.65,52.42 U112.60 ; 33.04,50.8 33.04,51.02 31.65,52.42 U114.60 ; 47.04,50.8 47.04,51.02 45.65,52.42 U116.60 ; 61.04,28.8 61.04,29.02 59.65,30.42 U108.60 ; 33.04,12.8 33.04,13.02 31.65,14.42 U114#2.60 ; 47.04,66.8 47.04,67.02 45.65,68.41 45.1,68.41 ; 47.04,28.8 47.04,29.02 45.65,30.42 U106.60 ; U120#2.60 73.65,52.42 75.04,51.02 75.04,50.8 ; U120.60 73.65,14.42 75.04,13.02 75.04,12.8 ; 75.04,66.8 75.04,67.02 73.65,68.41 73.1,68.41 ; U116#2.60 45.65,14.42 47.04,13.02 47.04,12.8
  Bottom w0.1: 47.04,28.8 47.03,28.8 44.38,26.15 43.95,26.15 43.5,26.6 43.38,26.6 43.19,26.8 U105.26 ; 61.04,28.8 61.03,28.8 58.38,26.15 57.95,26.15 57.5,26.6 57.38,26.6 57.19,26.8 U107#2.26 ; U117.26 57.19,10.8 57.38,10.6 57.5,10.6 57.95,10.15 58.38,10.15 61.03,12.8 61.04,12.8 ; U113#2.26 29.19,10.8 29.38,10.6 29.5,10.6 29.95,10.15 30.38,10.15 33.03,12.8 33.04,12.8 ; U111.26 15.19,48.8 15.38,48.6 15.5,48.6 15.95,48.15 16.38,48.15 19.03,50.8 19.04,50.8 ; 47.04,66.8 47.03,66.8 44.38,64.15 43.95,64.15 43.5,64.6 43.38,64.6 43.19,64.8 U105#2.26 ; U107.26 57.19,64.8 57.38,64.6 57.5,64.6 57.95,64.15 58.38,64.15 61.03,66.8 61.04,66.8 ; 75.04,50.8 75.03,50.8 72.38,48.15 71.95,48.15 71.5,48.6 71.39,48.6 71.19,48.8 U119#2.26 ; 47.04,50.8 47.03,50.8 44.38,48.15 43.95,48.15 43.5,48.6 43.38,48.6 43.19,48.8 U115#2.26 ; U109.26 71.19,64.8 71.39,64.6 71.5,64.6 71.95,64.15 72.38,64.15 75.03,66.8 75.04,66.8 ; U103.26 29.19,26.8 29.38,26.6 29.5,26.6 29.95,26.15 30.38,26.15 33.03,28.8 33.04,28.8 ; U103#2.26 29.19,64.8 29.38,64.6 29.5,64.6 29.95,64.15 30.38,64.15 33.03,66.8 33.04,66.8 ; U115.26 43.19,10.8 43.38,10.6 43.5,10.6 43.95,10.15 44.38,10.15 47.03,12.8 47.04,12.8 ; 75.04,12.8 75.03,12.8 72.38,10.15 71.95,10.15 71.5,10.6 71.39,10.6 71.19,10.8 U119.26 ; U113.26 29.19,48.8 29.38,48.6 29.5,48.6 29.95,48.15 30.38,48.15 33.03,50.8 33.04,50.8 ; 19.04,66.8 19.03,66.8 16.38,64.15 15.95,64.15 15.5,64.6 15.38,64.6 15.19,64.8 U101.26 ; 75.04,28.8 75.03,28.8 72.38,26.15 71.95,26.15 71.5,26.6 71.39,26.6 71.19,26.8 U109#2.26 ; U101#2.26 15.19,26.8 15.38,26.6 15.5,26.6 15.95,26.15 16.38,26.15 19.03,28.8 19.04,28.8 ; 61.04,50.8 61.03,50.8 58.38,48.15 57.95,48.15 57.5,48.6 57.38,48.6 57.19,48.8 U117#2.26 ; 19.04,12.8 19.03,12.8 16.38,10.15 15.95,10.15 15.5,10.6 15.38,10.6 15.19,10.8 U111#2.26
  vias: v1(19.12,66.9) v1(19.12,50.9) v1(19.12,28.9) v1(19.12,12.9) v1(33.12,66.9) v1(33.12,50.9) v1(33.12,28.9) v1(33.12,12.9) v1(47.12,66.9) v1(47.12,50.9) v1(47.12,28.9) v1(47.12,12.9) v1(61.12,66.9) v1(61.12,50.9) v1(61.12,28.9) v1(61.12,12.9) v1(75.12,66.9) v1(75.12,50.9) v1(75.12,28.9) v1(75.12,12.9)